# KiCad board cyclic.kicad_pcb (continued)
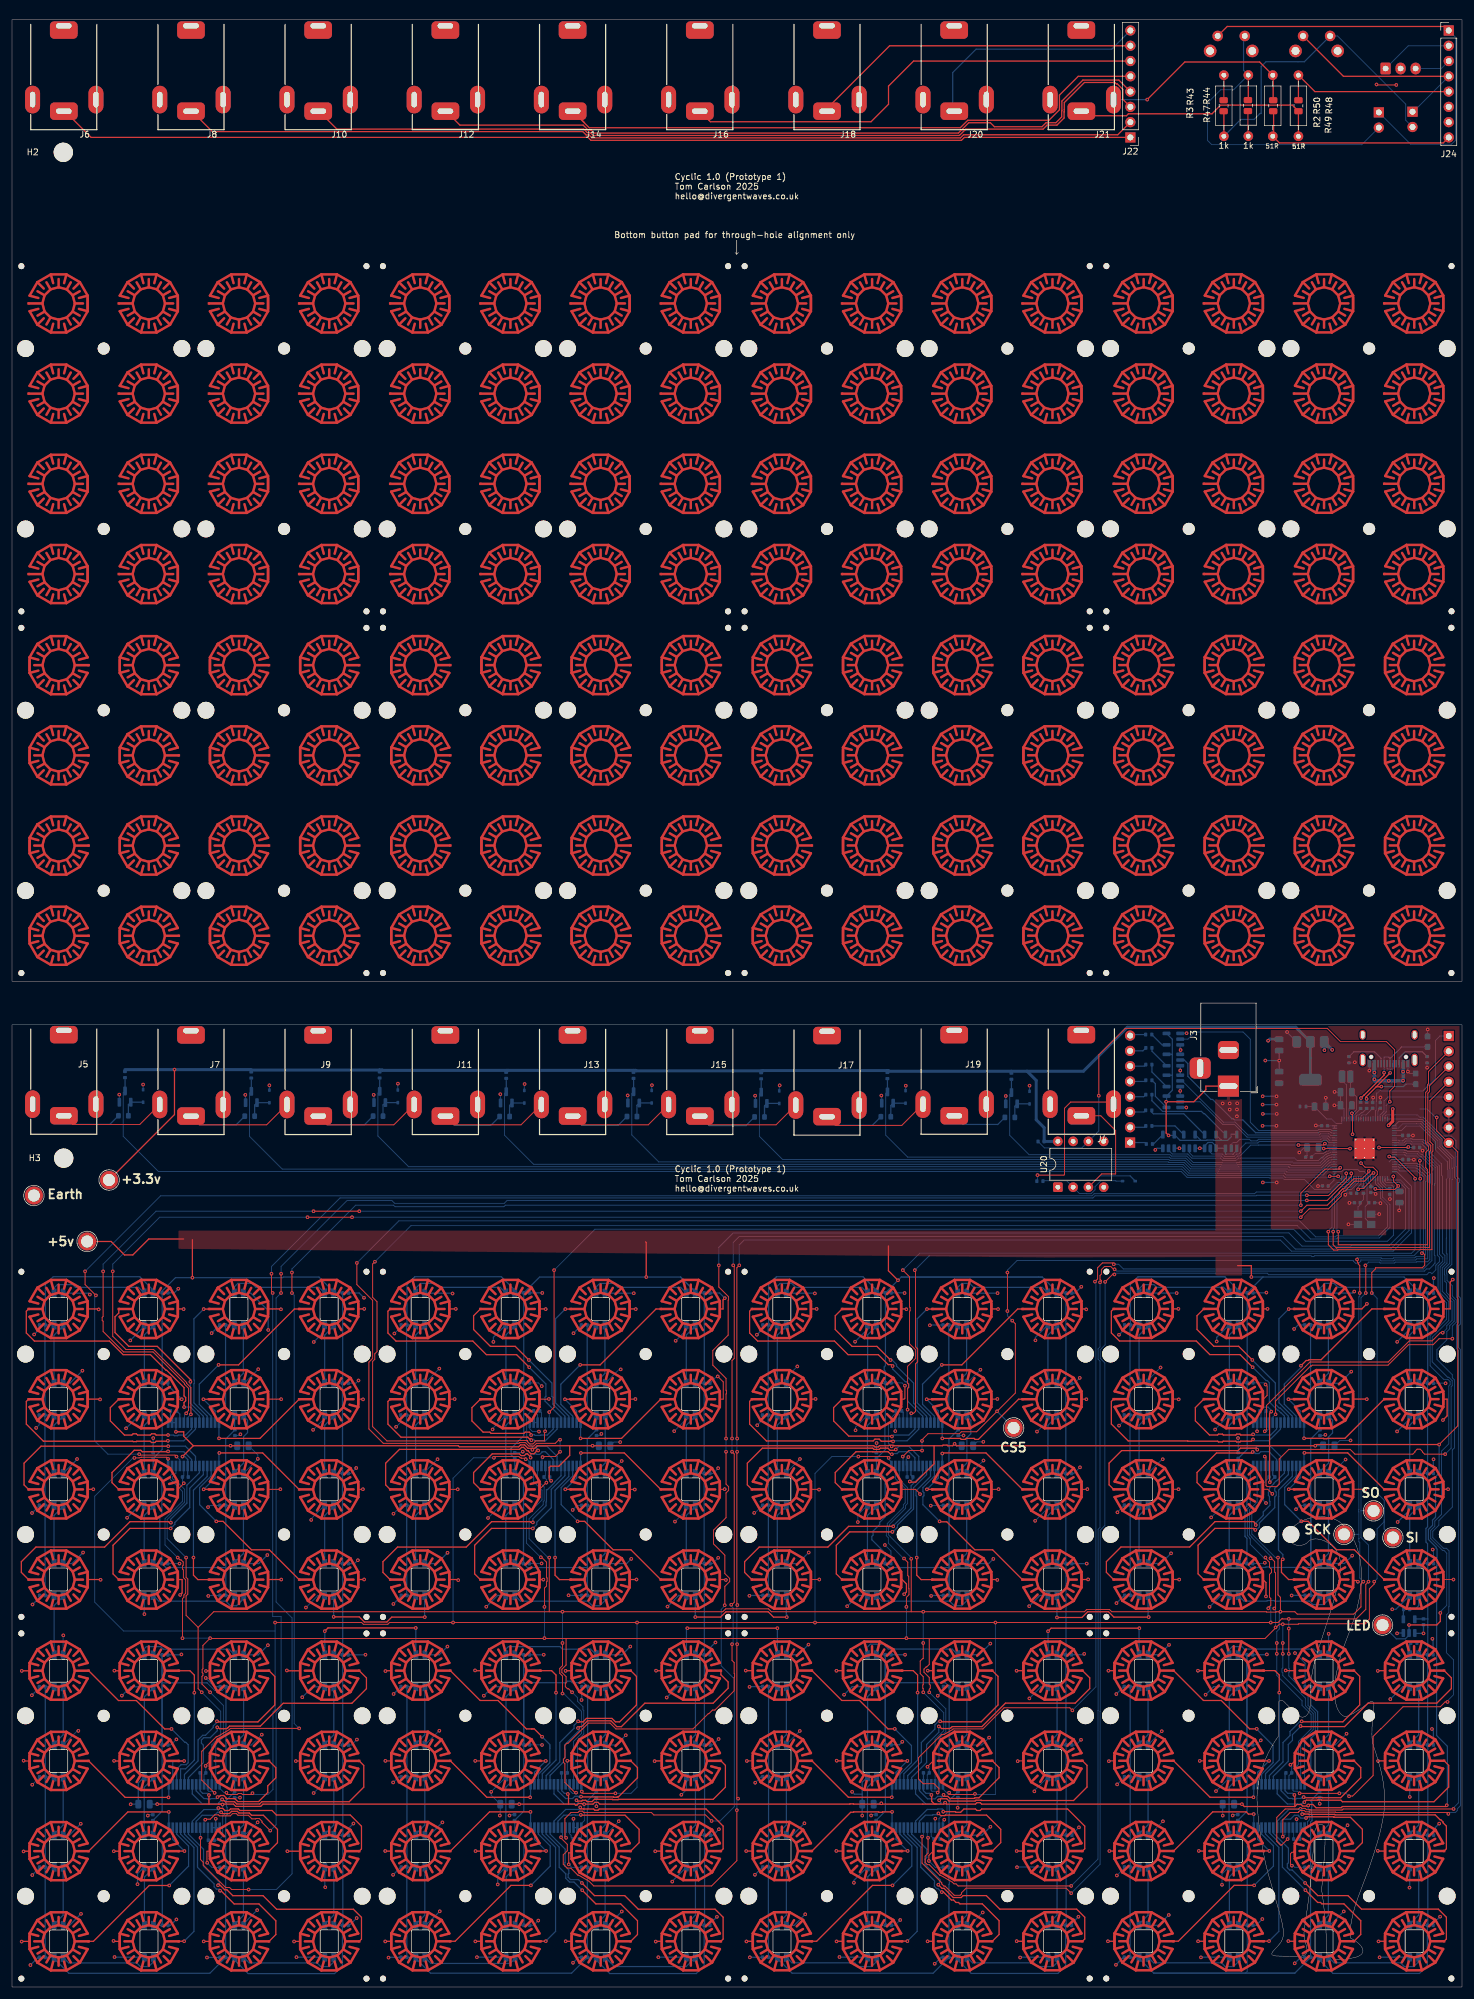
[diagram p0: board, top side]
## Routing (per net, layer and track width the routed paths; a pad name or vN(x,y) marks a point on that pad's centre or on a via; arc(x,y) is an arc through that point) (continued)
Net-(C3-Pad1): length 3.9
  Bottom w0.15: R6.2 224.75,130.92 C3.1 224.23,130.08 223.85,129.7 Y1.3
Net-(D3-A): length 28.3
  Top w0.15: J4.T 181.08,144.87 183.55,142.4 183.55,135.2 181.22,135.2 U20.3
  Bottom w0.15: 185.95,134.88 180.9,134.88 U20.3
  Bottom w0.2: D3.2 186.8,134.03 185.95,134.88
Net-(D3-K): length 15.3
  Bottom w0.15: 171.53,134.07 175.4,134.07 U20.2 177.52,131.95 178.7,131.95 178.73,131.92 179.47,131.92 180.12,132.57 180.12,133.08 181.11,134.07 183.55,134.07 183.62,134 D3.1
Net-(D5-DIN): length 10.1
  Bottom w0.2: 52.02,40.43 53.52,41.93 53.52,49.92
Net-(D10-DIN): length 10.1
  Bottom w0.2: 38.52,34.93 38.52,26.96 36.99,25.43
Net-(D10-DOUT): length 10.1
  Bottom w0.2: 38.49,19.93 38.49,11.9 37.02,10.43
Net-(D11-DIN): length 10.1
  Bottom w0.2: 23.51,34.73 21.98,33.2 21.98,25.25
Net-(D11-DOUT): length 10.1
  Bottom w0.2: 22.01,40.23 22.01,48.25 23.48,49.72
Net-(D12-DIN): length 10.1
  Bottom w0.2: 7,25.43 8.5,26.93 8.5,34.93
Net-(D12-DOUT): length 10.1
  Bottom w0.2: 7,10.43 8.5,11.93 8.5,19.93
Net-(D13-DIN): length 10.1
  Bottom w0.2: 53.52,19.93 53.52,11.95 52.02,10.45
Net-(D13-DOUT): length 10.1
  Bottom w0.2: 53.52,34.93 53.52,26.93 52.02,25.43
Net-(D14-DIN): length 10.1
  Bottom w0.2: 38.52,49.93 38.52,41.93 37.02,40.43
Net-(D15-DIN): length 10.1
  Bottom w0.2: 22.03,10.25 22.03,18.3 23.48,19.75
Net-(D16-DIN): length 10.1
  Bottom w0.2: 7,40.43 8.5,41.93 8.5,49.93
Net-(D17-DIN): length 16.7
  Bottom w0.2: 38.52,4.93 39.45,3.99 50.75,3.99 51.34,3.4 52.75,3.4 53.51,4.16 D17.4
Net-(D18-DIN): length 16.8
  Bottom w0.2: D7.2 21.97,56.22 22.35,56.6 24.72,56.6 25.15,56.17 36.07,56.17 37.02,55.23
Net-(D19-DIN): length 16.7
  Bottom w0.2: D19.4 23.52,4.17 22.75,3.4 21.34,3.4 20.75,3.99 9.44,3.99 8.5,4.93
Net-(D21-DIN): length 10.1
  Bottom w0.2: 112.17,40.44 113.67,41.94 113.67,49.93
Net-(D22-DIN): length 10.1
  Bottom w0.2: 98.64,19.94 98.64,11.91 97.17,10.44
Net-(D22-DOUT): length 17.6
  Bottom w0.2: 99.61,4 98.67,4.94 ; D22.2 100.2,3.4 112.13,3.4 D33.4
Net-(D23-DIN): length 10.1
  Bottom w0.2: 82.16,40.24 82.16,48.26 83.63,49.73
Net-(D23-DOUT): length 16.7
  Bottom w0.2: 97.17,55.24 96.23,56.18 91.55,56.18 91.13,56.6 82.55,56.6 82.12,56.17 82.12,55.25
Net-(D24-DIN): length 10.1
  Bottom w0.2: 68.65,19.94 68.65,11.94 67.15,10.44
Net-(D24-DOUT): length 15.8
  Bottom w0.2: 68.65,4.94 69.69,3.9 82.83,3.9 83.68,4.76
Net-(D25-DIN): length 10.1
  Bottom w0.2: 112.17,25.44 113.67,26.94 113.67,34.94
Net-(D26-DIN): length 10.1
  Bottom w0.2: 98.67,34.94 98.67,26.97 97.14,25.44
Net-(D27-DIN): length 10.1
  Bottom w0.2: 83.66,34.74 82.13,33.21 82.13,25.26
Net-(D28-DIN): length 10.1
  Bottom w0.2: 68.65,34.94 68.65,26.94 67.15,25.44
Net-(D29-DIN): length 10.1
  Bottom w0.2: 112.17,10.46 113.67,11.96 113.67,19.94
Net-(D30-DIN): length 10.1
  Bottom w0.2: 98.67,49.94 98.67,41.94 97.17,40.44
Net-(D31-DIN): length 10.1
  Bottom w0.2: 82.18,10.26 82.18,18.31 83.63,19.76
Net-(D32-DIN): length 10.1
  Bottom w0.2: 67.15,40.44 68.65,41.94 68.65,49.94
Net-(D37-DIN): length 10.1
  Bottom w0.2: 173.81,49.93 173.81,41.94 172.31,40.44
Net-(D38-DIN): length 10.1
  Bottom w0.2: 158.78,19.94 158.78,11.91 157.31,10.44
Net-(D38-DOUT): length 16.8
  Bottom w0.2: 158.81,4.94 159.74,4.01 169.95,4.01 170.56,3.4 173.15,3.4 173.8,4.05 D49.4
Net-(D39-DIN): length 10.1
  Bottom w0.2: 143.77,49.73 142.3,48.27 142.3,40.24
Net-(D39-DOUT): length 17.2
  Bottom w0.2: D39.2 142.26,56.51 142.75,57 144.94,57 145.75,56.19 156.36,56.19 157.31,55.24
Net-(D40-DIN): length 10.1
  Bottom w0.2: 128.79,19.94 128.79,11.94 127.29,10.44
Net-(D40-DOUT): length 16.7
  Bottom w0.2: D51.4 143.81,4.26 142.95,3.4 140.76,3.4 140.15,4.01 129.72,4.01 128.79,4.94
Net-(D41-DIN): length 10.1
  Bottom w0.2: 173.81,34.94 173.81,26.94 172.31,25.44
Net-(D42-DIN): length 10.1
  Bottom w0.2: 158.81,34.94 158.81,26.98 157.28,25.44
Net-(D43-DIN): length 10.1
  Bottom w0.2: 143.8,34.74 142.27,33.22 142.27,25.26
Net-(D44-DIN): length 10.1
  Bottom w0.2: 128.79,34.94 128.79,26.94 127.29,25.44
Net-(D45-DIN): length 10.1
  Bottom w0.2: 172.31,10.46 173.81,11.96 173.81,19.94
Net-(D46-DIN): length 10.1
  Bottom w0.2: 157.31,40.44 158.81,41.94 158.81,49.94
Net-(D47-DIN): length 10.1
  Bottom w0.2: 143.77,19.76 142.32,18.31 142.32,10.26
Net-(D48-DIN): length 10.1
  Bottom w0.2: 128.79,49.94 128.79,41.94 127.29,40.44
Net-(D53-DIN): length 10.1
  Bottom w0.2: 232.46,40.45 233.96,41.95 233.96,49.94
Net-(D54-DIN): length 10.1
  Bottom w0.2: 218.93,19.95 218.93,11.92 217.46,10.45
Net-(D54-DOUT): length 16.7
  Bottom w0.2: D65.4 233.95,4.2 233.15,3.4 231.56,3.4 230.95,4.01 219.89,4.01 218.96,4.95
Net-(D55-DIN): length 10.1
  Bottom w0.2: 203.92,49.74 202.45,48.27 202.45,40.25
Net-(D55-DOUT): length 16.6
  Bottom w0.2: 217.46,55.25 216.51,56.19 204.95,56.19 204.54,56.6 202.95,56.6 202.41,56.06 D55.2
Net-(D56-DIN): length 10.1
  Bottom w0.2: 187.44,10.45 188.94,11.95 188.94,19.95
Net-(D56-DOUT): length 16.7
  Bottom w0.2: D67.4 203.96,4.21 203.15,3.4 201.76,3.4 201.15,4.01 189.87,4.01 188.94,4.95
Net-(D57-DIN): length 10.1
  Bottom w0.2: 233.96,34.95 233.96,26.95 232.46,25.45
Net-(D58-DIN): length 10.1
  Bottom w0.2: 218.96,34.95 218.96,26.98 217.43,25.45
Net-(D59-DIN): length 10.1
  Bottom w0.2: 203.95,34.75 202.42,33.22 202.42,25.27
Net-(D60-DIN): length 10.1
  Bottom w0.2: 188.94,34.95 188.94,26.95 187.44,25.45
Net-(D61-DIN): length 10.1
  Bottom w0.2: 233.96,19.95 233.96,11.97 232.46,10.47
Net-(D62-DIN): length 10.1
  Bottom w0.2: 218.96,49.95 218.96,41.95 217.46,40.45
Net-(D63-DIN): length 10.1
  Bottom w0.2: 202.47,10.27 202.47,18.32 203.92,19.77
Net-(D64-DIN): length 10.1
  Bottom w0.2: 188.94,49.95 188.94,41.95 187.44,40.45
Net-(D69-DIN): length 10.1
  Bottom w0.2: 187.44,70.42 187.44,78.41 188.94,79.91
Net-(D70-DIN): length 10.1
  Bottom w0.2: 203.94,109.91 202.47,108.44 202.47,100.41
Net-(D70-DOUT): length 16.5
  Bottom w0.2: D81.4 187.45,116.1 188.15,116.8 189.9,116.8 190.35,116.35 201.5,116.35 202.44,115.41
Net-(D71-DIN): length 10.1
  Bottom w0.2: 218.95,80.11 218.95,72.09 217.48,70.62
Net-(D71-DOUT): length 16.8
  Bottom w0.2: D71.2 218.99,64.44 218.15,63.6 216.32,63.6 215.75,64.17 210.01,64.17 209.92,64.26 208.79,64.26 208.7,64.17 204.88,64.17 203.94,65.11
Net-(D72-DIN): length 10.1
  Bottom w0.2: 233.96,109.91 232.46,108.41 232.46,100.41
Net-(D72-DOUT): length 16.7
  Bottom w0.2: 232.46,115.41 231.52,116.35 220.55,116.35 219.9,117 218.35,117 217.44,116.09 D83.4
Net-(D73-DIN): length 10.1
  Bottom w0.2: 187.44,85.41 187.44,93.41 188.94,94.91
Net-(D74-DIN): length 10.1
  Bottom w0.2: 203.97,94.91 202.44,93.38 202.44,85.41
Net-(D75-DIN): length 10.5
  Bottom w0.2: 217.45,85.61 218.98,87.14 218.98,91.49 219.63,92.14 219.63,94.24 218.98,94.89
Net-(D76-DIN): length 10.1
  Bottom w0.2: 232.46,85.41 232.46,93.41 233.96,94.91
Net-(D77-DIN): length 10.1
  Bottom w0.2: 187.44,100.41 187.44,108.39 188.94,109.89
Net-(D78-DIN): length 10.1
  Bottom w0.2: 203.94,79.91 202.44,78.41 202.44,70.41
Net-(D79-DIN): length 10.1
  Bottom w0.2: 217.48,100.59 218.93,102.04 218.93,110.09
Net-(D80-DIN): length 10.1
  Bottom w0.2: 232.46,70.41 232.46,78.41 233.96,79.91
Net-(D85-DIN): length 10.1
  Bottom w0.2: 128.77,79.9 127.27,78.4 127.27,70.41
Net-(D86-DIN): length 10.1
  Bottom w0.2: 142.3,100.4 142.3,108.43 143.77,109.9
Net-(D86-DOUT): length 17
  Bottom w0.2: 142.27,115.4 141.34,116.34 130.35,116.34 129.69,117 127.75,117 127.28,116.53 D97.4
Net-(D87-DIN): length 10.1
  Bottom w0.2: 157.31,70.61 158.78,72.08 158.78,80.1
Net-(D87-DOUT): length 16.9
  Bottom w0.2: D87.2 158.82,64.27 157.95,63.4 156.71,63.4 155.95,64.16 144.72,64.16 143.77,65.1
Net-(D88-DIN): length 10.1
  Bottom w0.2: 172.29,100.4 172.29,108.4 173.79,109.9
Net-(D88-DOUT): length 16.9
  Bottom w0.2: D99.4 157.27,116.32 157.95,117 159.29,117 159.95,116.34 171.35,116.34 172.29,115.4
Net-(D89-DIN): length 10.1
  Bottom w0.2: 127.27,85.4 127.27,93.4 128.77,94.9
Net-(D90-DIN): length 10.1
  Bottom w0.2: 143.8,94.9 142.27,93.37 142.27,85.4
Net-(D91-DIN): length 10.5
  Bottom w0.2: 158.81,94.88 159.46,94.23 159.46,91.99 158.81,91.34 158.81,87.13 157.28,85.6
Net-(D92-DIN): length 10.1
  Bottom w0.2: 172.29,85.4 172.29,93.4 173.79,94.9
Net-(D93-DIN): length 10.1
  Bottom w0.2: 128.77,109.88 127.27,108.38 127.27,100.4
Net-(D94-DIN): length 10.1
  Bottom w0.2: 142.27,70.4 142.27,78.4 143.77,79.9
Net-(D95-DIN): length 10.1
  Bottom w0.2: 157.31,100.58 158.76,102.03 158.76,110.08
Net-(D100-DOUT): length 10.1
  Bottom w0.2: 173.79,79.9 172.29,78.4 172.29,70.4
Net-(D101-DIN): length 10.1
  Bottom w0.2: 68.62,79.9 67.12,78.4 67.12,70.41
Net-(D102-DIN): length 10.1
  Bottom w0.2: 82.15,100.4 82.15,108.43 83.62,109.9
Net-(D102-DOUT): length 16.8
  Bottom w0.2: D113.4 67.13,116.18 67.95,117 70.29,117 70.95,116.34 81.18,116.34 82.12,115.4
Net-(D103-DIN): length 10.1
  Bottom w0.2: 98.63,80.1 98.63,72.08 97.16,70.61
Net-(D103-DOUT): length 16.9
  Bottom w0.2: 83.62,65.1 84.56,64.16 95.75,64.16 96.51,63.4 97.75,63.4 98.67,64.32 98.67,65.08
Net-(D104-DIN): length 10.1
  Bottom w0.2: 113.64,109.9 112.14,108.4 112.14,100.4
Net-(D104-DOUT): length 16.9
  Bottom w0.2: D115.4 97.12,116.37 97.75,117 100.09,117 100.75,116.34 111.2,116.34 112.14,115.4
Net-(D105-DIN): length 10.1
  Bottom w0.2: 68.62,94.9 67.12,93.4 67.12,85.4
Net-(D106-DIN): length 10.1
  Bottom w0.2: 82.12,85.4 82.12,93.37 83.65,94.9
Net-(D107-DIN): length 10.1
  Bottom w0.2: 97.13,85.6 98.66,87.13 98.66,95.08
Net-(D108-DIN): length 10.1
  Bottom w0.2: 112.14,85.4 112.14,93.4 113.64,94.9
Net-(D109-DIN): length 10.1
  Bottom w0.2: 67.12,100.4 67.12,108.38 68.62,109.88
Net-(D110-DIN): length 10.1
  Bottom w0.2: 82.12,70.4 82.12,78.4 83.62,79.9
Net-(D111-DIN): length 10.1
  Bottom w0.2: 97.16,100.58 98.61,102.03 98.61,110.08
Net-(D112-DIN): length 10.1
  Bottom w0.2: 112.14,70.4 112.14,78.4 113.64,79.9
Net-(D117-DIN): length 10.1
  Bottom w0.2: 8.48,79.9 6.98,78.4 6.98,70.41
Net-(D118-DIN): length 10.1
  Bottom w0.2: 22.01,100.4 22.01,108.43 23.48,109.9
Net-(D118-DOUT): length 16.6
  Bottom w0.2: 21.98,115.4 21.04,116.34 10.55,116.34 10.09,116.8 7.55,116.8 6.99,116.24 D129.4
Net-(D119-DIN): length 10.1
  Bottom w0.2: 37.02,70.61 38.49,72.08 38.49,80.1
Net-(D119-DOUT): length 17.4
  Bottom w0.2: 23.48,65.1 24.42,64.16 35.55,64.16 36.31,63.4 37.35,63.4 38.53,64.58 38.53,65.08 ; 38.08,64.16 38.52,64.6
Net-(D120-DIN): length 10.1
  Bottom w0.2: 53.5,109.9 52,108.4 52,100.4
Net-(D120-DOUT): length 16.9
  Bottom w0.2: 52,115.4 51.06,116.34 40.55,116.34 39.89,117 37.55,117 36.98,116.43 D131.4
Net-(D121-DIN): length 10.1
  Bottom w0.2: 6.98,85.4 6.98,93.4 8.48,94.9
Net-(D122-DIN): length 10.1
  Bottom w0.2: 21.98,85.4 21.98,93.37 23.51,94.9
Net-(D123-DIN): length 10.5
  Bottom w0.2: 36.99,85.6 38.52,87.13 38.52,91.53 39.17,92.18 39.17,94.23 38.52,94.88
Net-(D124-DIN): length 10.1
  Bottom w0.2: 53.5,94.9 52,93.4 52,85.4
Net-(D125-DIN): length 10.1
  Bottom w0.2: 8.48,109.88 6.98,108.38 6.98,100.4
Net-(D126-DIN): length 10.1
  Bottom w0.2: 21.98,70.4 21.98,78.4 23.48,79.9
Net-(D127-DIN): length 10.1
  Bottom w0.2: 38.47,110.08 38.47,102.03 37.02,100.58
Net-(D128-DIN): length 10.1
  Bottom w0.2: 52,70.4 52,78.4 53.5,79.9
Net-(D133-K): length 4.5
  Bottom w0.2: R19.1 19.35,146.73 Q1.1 21.8,147.12
Net-(D134-K): length 4.5
  Bottom w0.2: 42.8,147.05 Q2.1 40.35,146.65 R22.1
Net-(D135-K): length 4.5
  Bottom w0.2: R25.1 61.7,146.66 Q3.1 64.15,147.06
Net-(D136-K): length 4.5
  Bottom w0.2: R28.1 82.75,146.6 Q4.1 85.2,147
Net-(D137-K): length 4.5
  Bottom w0.2: R31.1 103.93,146.6 Q5.1 106.37,147
Net-(D138-K): length 4.5
  Bottom w0.2: R34.1 125.15,146.53 Q6.1 127.59,146.92
Net-(D139-K): length 4.5
  Bottom w0.2: R37.1 146.15,146.56 Q7.1 148.59,146.96
Net-(D140-K): length 4.5
  Bottom w0.2: R40.1 166.78,146.45 Q8.1 169.22,146.85
Net-(J4-PadR): length 25
  Top w0.15: v1(170.55,135) 174.95,135 175.04,135.09 175.04,146.11 176.07,147.15 183.21,147.15
  Bottom w0.15: v1(170.55,135) 170.55,134.11
Net-(J21-PadR): length 34.1
  Top w0.2: R50.1 207.49,320.1 195.05,320.1 v1(188.8,313.85) ; R47.2 209.75,317.84
  Bottom w0.2: J21.R v1(188.8,313.85)
Net-(J21-PadT): length 41.7
  Top w0.2: R49.1 R48.2 212.94,312.93 201.02,312.93 199.58,311.49 185.67,311.49 185.34,311.16 178.61,311.16 J21.T
Net-(J26-Pin_2): length 54.8
  Top w0.2: R43.1 201.55,311.88
  Bottom w0.15: SW1.1 220.46,324.43 231.79,313.1 231.79,310.42 J26.2
  Bottom w0.2: R43.1 204.34,310.54 206.55,310.54 207.55,311.54 207.75,311.54 207.75,319.34 208.55,320.14 214.94,320.14 SW1.1
Net-(J27-Pin_2): length 55.6
  Top w0.2: R44.1 205.62,313.83
  Bottom w0.15: J27.2 224.5,306.36 199.53,306.36 198.83,307.06 198.83,313.29 201.04,315.5 203.18,315.5 R44.1
  Bottom w0.2: 204.82,324.22 204.82,318.73 R44.1
Net-(R20-Pad1): length 2.4
  Bottom w0.2: R20.1 189.84,140.18 U12.4
Net-(R23-Pad1): length 5.9
  Bottom w0.2: U13.4 193.43,143.18 R23.1
Net-(R26-Pad1): length 10.6
  Bottom w0.2: U14.4 194.88,145.2 189.82,145.2 189.56,145.46 R26.1
Net-(R29-Pad1): length 15.6
  Bottom w0.2: U15.4 198.33,145.22 198.19,145.22 197.82,145.6 191.35,145.6 189.58,147.37 R29.1
Net-(R32-Pad1): length 5.5
  Bottom w0.2: U16.4 190.15,148.11 190.15,150.2 R32.1
Net-(R35-Pad1): length 4.7
  Bottom w0.2: R35.1 189.58,152.15 U17.4
Net-(R38-Pad1): length 4
  Bottom w0.2: R38.1 189.59,155.62 U18.4
Net-(R41-Pad1): length 3.2
  Bottom w0.2: U19.4 191.27,156.66 R41.1
Net-(U2-USB_DM): length 2.2
  Bottom w0.15: 224.3,146.07 223.15,144.92 U2.66
Net-(U2-USB_DP): length 2.7
  Bottom w0.15: R7.2 224.59,145.38 224.42,145.38 224.06,145.03 223.76,145.03 223.55,144.82 U2.67
Net-(U4-~{RESET}): length 2
  Bottom w0.15: U4.18 32.58,24.46
Net-(U5-~{RESET}): length 2.1
  Bottom w0.15: R12.2 92.97,24.95 92.97,25.24 92.73,25.48 U5.18
Net-(U6-~{RESET}): length 2.1
  Bottom w0.15: R13.2 152.87,25.06 U6.18
Net-(U7-~{RESET}): length 1.8
  Bottom w0.15: R14.2 213.15,26.38
Net-(U8-~{RESET}): length 2
  Bottom w0.15: U8.18 208.38,95.61 R15.2
Net-(U9-~{RESET}): length 2.1
  Bottom w0.2: R16.2 148.21,95.56 U9.18
Net-(U10-~{RESET}): length 2.1
  Bottom w0.15: 88.05,93.84 88.05,95.51 R17.2
Net-(U11-~{RESET}): length 2.2
  Bottom w0.2: R18.2 27.91,95.25 U11.18

## Copper pours and planes (outline as drawn; the poured copper is in the pictures)
+1V1 on Bottom: 227.75,136.4 222.15,136.4 222.15,142.4 227.75,142.4
+3.3V on Bottom: 209.35,153.42 209.35,125 240.75,125 240.75,153.42
+5V on Top: 27.69,122.74 27.69,125.77 204.56,125.77 204.57,125.76 204.57,121.37 171.83,121.31
+5V on Top: 200.11,152.06 204.56,152.06 204.56,118.32 204.55,118.31 200.16,118.31 200.1,151.05
+5V on In1.Cu, In2.Cu: 226.25,150.4 231.65,150.4 231.68,150.43 231.68,157.36 219.7,157.36 211.07,157.37 205.1,157.4 205.11,155.42 226.31,155.42 226.25,155.36
+5V on In1.Cu, In2.Cu: 205.11,155.42 205.11,152.31 205.46,152.66 199.77,152.66 199.77,147.46 204.45,142.78 207.16,142.78 207.16,155.38 207.12,155.42
Earth on Top: 209.35,159.8 209.35,126 240.75,126 240.75,159.8
Earth on Top: 228.25,131.5 228.55,131.2 228.55,125 221.35,125 221.35,131.5
Earth on Bottom: 221.75,144.4 220.15,144.4 220.15,149.8 221.75,149.8
Earth on Bottom: 240.59,327.14 -0.01,327.14 0.15,287.7 240.66,287.66
Earth on In1.Cu: 0.14,159.84 0.11,159.81 0.11,0.1 241.03,0.1 241.06,0.13 241.06,124.95 209.27,124.95 209.17,125.05 209.17,159.84

## Text on the board
B.Silkscreen: Boot | Run
Top: 1 | 2 | 3 | 4 | CLOCK IN / TRIG OUT | 5 | 6 | 7 | 8 | MIDI IN / MIDI OUT | DC 5v | USB-C
F.Silkscreen: Cyclic 1.0 (Prototype 1) / Tom Carlson 2025 / hello@divergentwaves.co.uk | Bottom button pad for through-hole alignment only | +5v | Earth | +3.3v | CS5 | SCK | LED | SO | SI
